# Altium PCB RMP_MAIN_SINGLE.PcbDoc (continued)
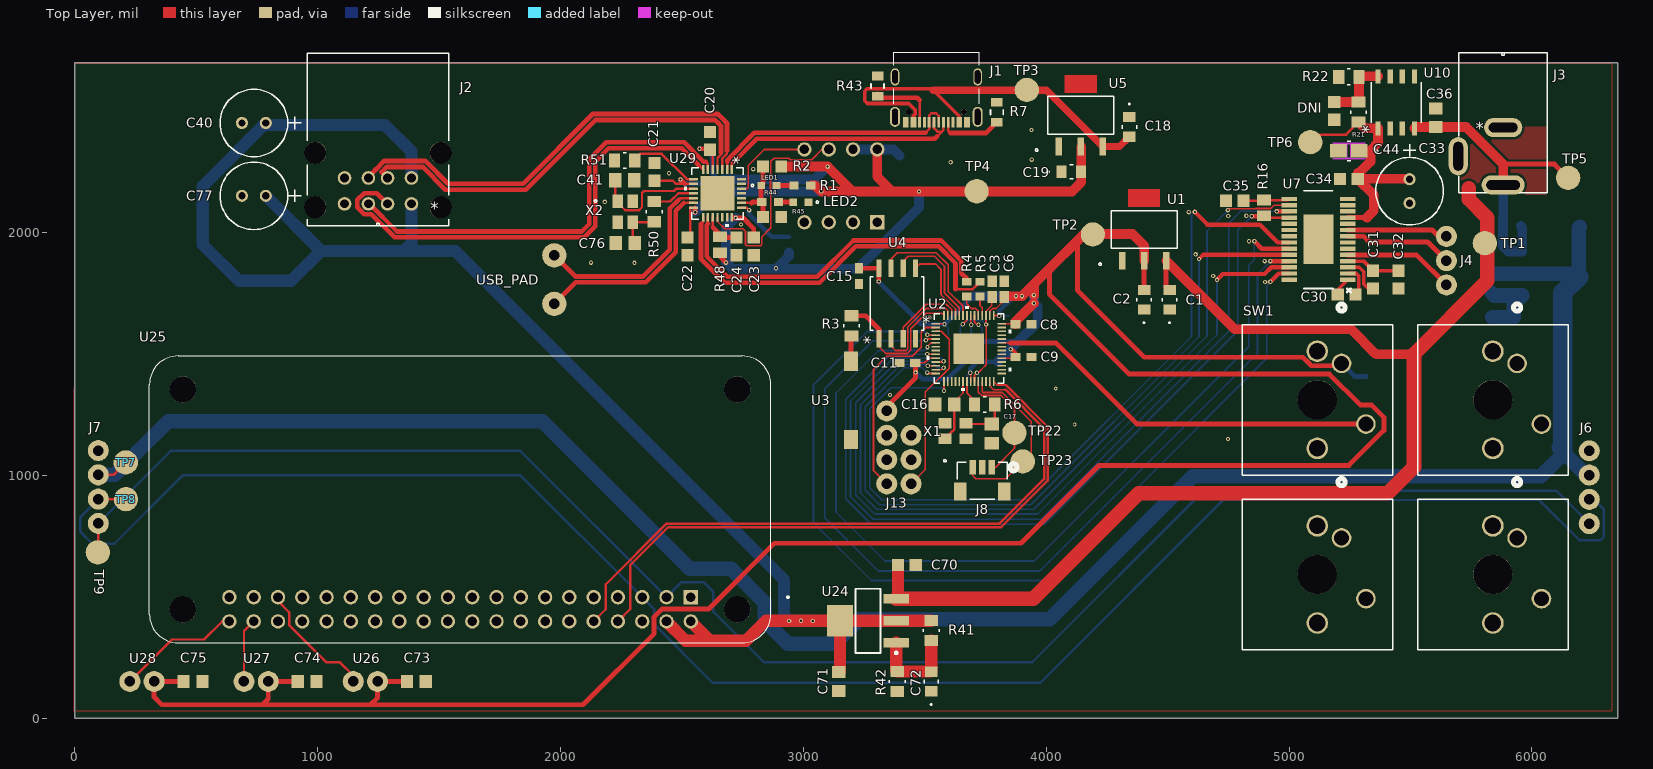
[diagram p0: Top Layer view]
## Part data
C1 C2 C18 C19 C39 C72: library part CAP_GRM21BR61C106KE15K, "10 µF ±10% 16V Ceramic Capacitor X5R 0805 (2012 Metric)", Mfr_Name=Murata
C3 C6: library part CAP_C0603C105K4RACTU, "1 µF ±10% 16V Ceramic Capacitor X7R 0603 (1608 Metric)", Mfr_Name=Kemet
C4 C5 C7 C8 C9 C10 C11 C12 C13 C14 C15: library part CAP_CC0603KRX7R7BB104, "0.1 µF ±10% 16V Ceramic Capacitor X7R 0603 (1608 Metric)", Mfr_Name=Yageo
C16 C17 C41 C76: library part CAP_CC0805FRNPO9BN150, "15 pF ±1% 50V Ceramic Capacitor C0G, NP0 0805 (2012 Metric)", Mfr_Name=Yageo
C20 C21 C22 C23 C24 C31 C32 C34 C37 C45 C70 C78 DNI: library part CAP_CC0805KRX7R9BB104, "0.1 µF ±10% 50V Ceramic Capacitor X7R 0805 (2012 Metric)", Mfr_Name=Yageo
C30: library part CAP_CC0805KRX7R9BB153, "0.015 µF ±10% 50V Ceramic Capacitor X7R 0805 (2012 Metric)", Mfr_Name=Yageo
C33 C40 C77: library part CAP_35YXJ100M6.3X11, "CAP ALUM 100UF 20% 35V RADIAL TH", Mfr_Name=Rubycon
C35: library part CAP_CC0805KKX7R8BB474, "0.47 µF ±10% 25V Ceramic Capacitor X7R 0805 (2012 Metric)", Mfr_Name=Yageo
C36 C38 C71 C73 C74 C75: library part CAP_CL21B105KAFNNNE, "1 µF ±10% 25V Ceramic Capacitor X7R 0805 (2012 Metric)", Mfr_Name=Samsung
C44: library part CAP_TAJA475K016RNJ, "4.7 µF Molded Tantalum Capacitors 16 V 1206 (3216 Metric) 4Ohm", Mfr_Name="KYOCERA AVX"
J1: "CONN RCP USB2.0 TYP C 24P SMD RA", Mfr_Name="Amphenol ICC", RefDes=RefDes, Type=Type
J2: "No Description Available", Mfr_Name=Assmann, RefDes=RefDes, Type=Type
J3: "Power Barrel Connector Jack 2.50mm ID (0.098\"), 5.50mm OD (0.217\") Through Hole, Right Angle", Mfr_Name="CUI Inc", RefDes=RefDes, Type=Type
J4: "BLDC motor header"
J8: "No Description Available", Mfr_Name=JST, RefDes=RefDes, Type=Type
LED1 LED2: library part LED_B1931NG--20D001114U1930, "Green 525nm LED Indication - Discrete 3.3V 0603 (1608 Metric)", Mfr_Name=Harvatek, Type="LED Indication"
  LED1: Parameter 1=DNI
R1 R44: library part RES_RC0603FR-07169RL, "169 Ohms ±1% 0.1W, 1/10W Chip Resistor 0603 (1608 Metric) Moisture Resistant Thick Film", Mfr_Name=Yageo
R2 R45: library part RES_RC0805FR-07100KL, "100 kOhms ±1% 0.125W, 1/8W Chip Resistor 0805 (2012 Metric) Moisture Resistant Thick Film", Mfr_Name=Yageo
R3 R6 R21 R50: library part RES_RNCF0805DTE1K00, "1 kOhms ±0.5% 0.25W, 1/4W Chip Resistor 0805 (2012 Metric) Automotive AEC-Q200 Thin Film", Mfr_Name="Stackpole International"
R4 R5: library part RES_MCT06030C2742FP500, "27.4 kOhms ±1% 0.125W, 1/8W Chip Resistor 0603 (1608 Metric) Anti-Sulfur Thin Film", Mfr_Name="Stackpole International"
R7 R43: library part CMP-2001-01539-2, "RES SMD 5.1K OHM 1% 1/8W 0805", Manufacturer=Yageo, Package=RT0805, Power Rating=0.125W, Resistance=5.1KΩ, Temperature="-55°C to +155°C", Temperature Coefficient="50 ppm/°C", Temperature Range High=+155°C, Temperature Range Low=-55°C, Tolerance=0.0001, Voltage Rating=150V, Automotive=No, Category=Res, ComponentLink2Description=Datasheet, ComponentLink2URL=http://www.yageo.com/documents/recent/PYu-RT_1-to-0.01_RoHS_L_9.pdf, Composition="Thin Film", Device Class L1="Passive Components", Device Class L2=Resistors, Device Class L3="Chip SMD Resistors", Digikey Description="RES SMD 5.1K OHM 1% 1/8W 0805", Footprint Url=http://www.yageo.com/exep/pages/download/literatures/PYu-R_Mount_10.pdf, Height=0.6mm, Ipc Land Pattern Name=RESC200125X50, Lead Free=Yes, Manufacturer Part Number=RT0805FRE075K1L, Mouser Description="Res Thin Film 0805 5.1K Ohm 1% 1/8W ±50ppm/°C Molded SMD SMD Paper T/R", Octopart=https://octopart.com/rt0805fre075k1l-yageo-1396245, RoHS=TRUE, Series=RT
R16 R47 R48 R49: library part RES_RNCP0805FTD10K0, "10 kOhms ±1% 0.25W, 1/4W Chip Resistor 0805 (2012 Metric) Anti-Sulfur Thin Film", Supplier Part Number 1=RNCP0805FTD10K0CT-ND, Supplier 1=Digikey
R17 R41: library part RES_RNCF0805DTE120R, "120 Ohms ±0.5% 0.25W, 1/4W Chip Resistor 0805 (2012 Metric) Automotive AEC-Q200 Thin Film", Mfr_Name="Stackpole International"
R18 R42: library part RES_RNCF0805DTE360R, "360 Ohms ±0.5% 0.25W, 1/4W Chip Resistor 0805 (2012 Metric) Automotive AEC-Q200 Thin Film", Mfr_Name="Stackpole International"
R22: library part RES_RNCF0805DTE5K60, "5.6 kOhms ±0.5% 0.25W, 1/4W Chip Resistor 0805 (2012 Metric) Automotive AEC-Q200 Thin Film", Mfr_Name="Stackpole International"
R51: library part RES_RLC73K2AR649FTD, "649 mOhms ±1% 0.125W, 1/8W Chip Resistor 0805 (2012 Metric) Current Sense Thick Film", Mfr_Name="Stackpole International"
SW1: "No Description Available", Mfr_Name=Cherry
U1 U5: "Linear Voltage Regulator IC Positive Fixed 1 Output 1A SOT-223", Mfr_Name=onsemi, RefDes=RefDes, Type=Type
U2: "ARM® Cortex®-M0+ - Microcontroller IC 32-Bit Dual-Core 133MHz External Program Memory 56-QFN (7x7)", Mfr_Name="Raspberry Pi", RefDes=RefDes, Type=Embedded
U3: "Tactile Switch SPST-NO Top Actuated Surface Mount"
U4: "FLASH - NOR Memory IC 128Mbit SPI - Quad I/O, QPI 133 MHz 8-SOIC", Mfr_Name=Winbond, RefDes=RefDes, Type=Type
U7: "IC MOTOR DRIVER 8V-60V 28HTSSOP", Mfr_Name="Texas Instruments", RefDes=RefDes, Type=TYPE
U8 U24: "Linear Voltage Regulator IC Positive Adjustable 1 Output 1.5A SOT-223-4", Alternate_PartNumber=LM317DCY, Manufacturer="Texas Instruments", CompType=IC, Mfr_Name="Texas Instruments", MountType=SMT, PackageReference=DCY0004A, PartNumber=LM317DCYR, RefDes=RefDes, RoHS=Y, SymbolCreater=Altium, Type=TYPE
U10: "Linear Voltage Regulator IC Positive Adjustable 1 Output 1.2A 8-SO", Mfr_Name=STMicroelectronics, RefDes=RefDes, Type=Type
U25: "At the heart of Raspberry Pi Zero 2 W is RP3A0, a custom-built system-in-package designed by Raspberry Pi in the UK.", Package=None, Check_prices=https://www.snapeda.com/parts/RASPBERRY%20PI%20ZERO%202%20W/Raspberry+Pi/view-part/?ref=eda, MF="Raspberry Pi", MP="RASPBERRY PI ZERO 2 W", SnapEDA_Link=https://www.snapeda.com/parts/RASPBERRY%20PI%20ZERO%202%20W/Raspberry+Pi/view-part/?ref=snap
U26 U27 U28: "connector for low profile mechanical switch"
U29: "USB Hub Controller USB 2.0 USB Interface 28-QFN (5x5)", Mfr_Name="Cypress Semiconductor", RefDes=RefDes, Type=Type
U30: "IC EEPROM 2KBIT I2C 1MHZ 8DIP", Mfr_Name=Microchip, RefDes=RefDes, Type=Type
X1 X2: "12 MHz ±30ppm Crystal 10pF 50 Ohms 4-SMD, No Lead", Mfr_Name=Abracon, RefDes=RefDes, Type=Crystals

## Via types
v1: diameter 18, hole 9, Top Layer to Bottom Layer, 63 vias
v2: diameter 16, hole 8, Top Layer to Bottom Layer, 5 vias

## Nets (pads, with @x,y where several pads share a name; then routed paths per layer and width w, separated by ;. In a path a pad name is that pad's centre, name@x,y a point inside that pad or via, vN(x,y) a via of type N, cw(c..) or ccw(c..) an arc to the next point about the centre after c; other vN are vias at no path point)
pads on no net: C1.1 C1.2 C2.1 C2.2 C3.1 C3.2 C4.1 C4.2 C5.1 C5.2 C6.1 C6.2 C7.1 C7.2 C8.1 C8.2 C9.1 C9.2 C10.1 C10.2 C11.1 C11.2 C12.1 C12.2 C13.1 C13.2 C14.1 C14.2 C15.1 C15.2 C16.1 C16.2 C17.1 C17.2 C18.1 C18.2 C19.1 C19.2 C20.1 C20.2 C21.1 C21.2 C22.1 C22.2 C23.1 C23.2 C24.1 C24.2 C30.1 C30.2 C31.1 C31.2 C32.1 C32.2 C33.1 C33.2 C34.1 C34.2 C35.1 C35.2 C36.1 C36.2 C37.1 C37.2 C38.1 C38.2 C39.1 C39.2 C40.1 C40.2 C41.1 C41.2 C44.1 C44.2 C45.1 C45.2 C70.1 C70.2 C71.1 C71.2 C72.1 C72.2 C73.1 C73.2 C74.1 C74.2 C75.1 C75.2 C76.1 C76.2 C77.1 C77.2 C78.1 C78.2 DNI.1 DNI.2 J1. J1.A1-B12 J1.A4-B9 J1.A5 J1.A6 J1.A7 J1.A8 J1.B1-A12 J1.B4-A9 J1.B5 J1.B6 J1.B7 J1.B8 J1.SH1 J1.SH2 J1.SH3 J1.SH4 J2.1 J2.2 J2.3 J2.4 J2.5 J2.6 J2.7 J2.8 J2.9 J2.10 J2.11 J2.12 J3.1 J3.2 J3.3 J4.1 J4.2 J4.3 J6.1 J6.2 J6.3 J6.4 J7.1 J7.2 J7.3 J7.4 J8.1 J8.2 J8.3 J8.4 J8.5 J13.1 J13.2 J13.3 J13.4 J13.5 J13.6 J13.7 LED1.1 LED1.2 LED2.1 LED2.2 R1.1 R1.2 R2.1 R2.2 R3.1 R3.2 R4.1 R4.2 R5.1 R5.2 R6.1 R6.2 R7.1 R7.2 R16.1 R16.2 R17.1 R17.2 R18.1 R18.2 R21.1 R21.2 R22.1 R22.2 R41.1 R41.2 R42.1 R42.2 R43.1 R43.2 R44.1 R44.2 R45.1 R45.2 R47.1 R47.2 R48.1 R48.2 R49.1 R49.2 R50.1 R50.2 R51.1 R51.2 SW1. SW1.1 SW1.2 SW1.3 SW1.4 SW1.5 TP1.1 TP2.1 TP3.1 TP4.1 TP5.1 TP6.1 TP7.1 TP8.1 TP9.1 TP22.1 TP23.1 U1.1 U1.2 U1.3 U2.1 U2.2 U2.3 U2.4 U2.5 U2.6 U2.7 U2.8 U2.9 U2.10 U2.11 U2.12 U2.13 U2.14 U2.15 U2.16 U2.17 U2.18 U2.19 U2.20 U2.21 U2.22 U2.23 U2.24 U2.25 U2.26 U2.27 U2.28 U2.29 U2.30 U2.31 U2.32 U2.33 U2.34 U2.35 U2.36 U2.37 U2.38 U2.39 U2.40 U2.41 U2.42 U2.43 U2.44 U2.45 U2.46 U2.47 U2.48 U2.49 U2.50 U2.51 U2.52 U2.53 U2.54 U2.55 U2.56 U2.57 U3.1 U3.2 U4.1 U4.2 U4.3 U4.4 U4.5 U4.6 U4.7 U4.8 U5.1 U5.2 U5.3 U7.1 U7.2 U7.3 U7.4 U7.5 U7.6 U7.7 U7.8 U7.9 U7.10 U7.11 U7.12 U7.13 U7.14 U7.15 U7.16 U7.17 U7.18 U7.19 U7.20 U7.21 U7.22 U7.23 U7.24 U7.25 U7.26 U7.27 U7.28 U7.29 U8.1 U8.2 U8.3 U8.4 U10.1 U10.2 U10.3 U10.4 U10.5 U10.6 U10.7 U10.8 U24.1 U24.2 U24.3 U24.4 U25. U25.1 U25.2 U25.3 U25.4 U25.5 U25.6 U25.7 U25.8 U25.9 U25.10 U25.11 U25.12 U25.13 U25.14 U25.15 U25.16 U25.17 U25.18 U25.19 U25.20 U25.21 U25.22 U25.23 U25.24 U25.25 U25.26 U25.27 U25.28 U25.29 U25.30 U25.31 U25.32 U25.33 U25.34 U25.35 U25.36 U25.37 U25.38 U25.39 U25.40 U26.1 U26.2 U27.1 U27.2 U28.1 U28.2 U29.1 U29.2 U29.3 U29.4 U29.5 U29.6 U29.7 U29.8 U29.9 U29.10 U29.11 U29.12 U29.13 U29.14 U29.15 U29.16 U29.17 U29.18 U29.19 U29.20 U29.21 U29.22 U29.23 U29.24 U29.25 U29.26 U29.27 U29.28 U29.29 U30.1 U30.2 U30.3 U30.4 U30.5 U30.6 U30.7 U30.8 USB_PAD.1 USB_PAD.2 X1.1 X1.2 X1.3 X1.4 X2.1 X2.2 X2.3 X2.4
copper on no net: | length 125933
  Top Layer w7: 2646.27,2063.83 2646.27,2046.33 2676.27,2016.33 2750.81,2016.33 2761.96,2005.18 2761.96,1952.03 2766.94,1947.06 2823.98,1947.06 2828.96,1952.03 2828.96,1983.02 2866.15,2020.21 2866.15,2175.22 2864.58,2176.79 2864.58,2213.83 2866.15,2215.4 2866.15,2294.21 2879.27,2307.33 2940.27,2307.33 2946.27,2301.33 3016.01,2301.33 3034.27,2301.33 3076.27,2343.33 3104.27,2343.33 ; 2705.62,2291.08 2708.65,2291.08 2710.32,2289.41 ; 2744.77,2182.01 2766.95,2182.01 2772.95,2188.01 2772.95,2277.01 2839.27,2343.33 3004.27,2343.33 ; 3311.27,1530.78 3338.72,1503.33 3427.26,1503.33 3442.27,1518.34 3442.27,1605.33 3505.27,1668.33 3569.9,1668.33 3578.9,1659.33 ; 3343.27,966.33 3289.08,1020.51 3289.08,1438.14 3342.27,1491.33 3448.29,1491.33 3485.27,1528.31 3485.27,1590.33 3504.88,1609.94 3545.27,1609.94 ; 3361.27,1562.83 3361.27,1533.33 3379.27,1515.33 3422.29,1515.33 3430.27,1523.31 3430.27,1612.33 3506.27,1688.33 3586.27,1688.33 3594.65,1679.94 3594.65,1659.33 ; 3361.27,1853.83 3361.27,1893.33 3386.27,1918.33 3546.27,1918.33 3596.27,1868.33 3596.27,1758.33 3657.64,1696.95 3657.64,1659.33 ; 3411.27,1562.83 3411.27,1611.33 3506.27,1706.33 3588.27,1706.33 3610.4,1684.19 3610.4,1659.33 ; 3411.27,1883.33 3431.27,1903.33 3540.05,1903.33 3581.27,1862.11 3581.27,1752.11 3586.27,1747.11 3641.9,1691.48 3641.9,1659.33 ; 3443.27,966.33 3502.27,1025.33 3502.27,1344.33 3516.73,1358.8 3600.27,1442.33 3600.27,1561.33 3567.4,1594.19 3545.27,1594.19 ; 3460.77,1464.33 3499.27,1464.33 3518.9,1483.96 3545.27,1483.96 ; 3461.27,1853.83 3478.77,1871.33 3545.27,1871.33 3566.27,1850.33 3566.27,1745.9 3626.15,1686.02 3626.15,1659.33 ; v1(3504.27,1557.33) 3509.64,1562.7 3545.27,1562.7 ; v1(3510.27,1424.33) 3510.27,1422.33 3511.63,1420.97 3545.27,1420.97 ; v1(3510.27,1500.83) 3510.27,1500.33 3510.89,1499.71 3545.27,1499.71 ; v1(3510.69,1580.23) 3512.48,1578.45 3545.27,1578.45 ; v1(3511.27,1529.33) 3511.27,1532.46 3525.75,1546.95 3545.27,1546.95 ; v1@3512.4,1452.46 3545.27,1452.46 ; 3545.27,1436.71 3569.65,1436.71 v1(3577.27,1444.33) ; 3545.27,1468.21 3574.15,1468.21 v1(3577.27,1471.33) ; 3545.27,1625.69 3578.9,1625.69 v1(3581.27,1623.33) ; 3578.9,1387.33 3578.9,1349.69 v1(3579.27,1349.33) ; 3620.57,1293.33 3620.57,1303.35 3657.5,1340.28 3657.5,1387.18 ; v1(3656.27,1623.33) 3673.39,1640.45 3673.39,1659.33 ; 3672.27,1738.09 3672.27,1707.7 3691.64,1688.33 3709.41,1688.33 3720.64,1677.1 3720.64,1659.33 ; 3673.39,1387.33 3673.39,1341.2 3704.77,1309.83 3704.77,1293.33 ; v1(3686.9,1423.81) 3689.02,1421.69 3689.02,1387.45 ; 3689.11,1659.3 3689.11,1625.48 3690.27,1624.33 3690.27,1622.15 v1(3691.27,1621.15) ; 3696.9,1034.56 3696.9,1000.7 3710.02,987.58 3832.52,987.58 3903.27,1058.33 ; 3704.89,1387.33 3704.89,1414.31 v1(3714.6,1424.02) 3719.98,1424.02 3747.79,1451.83 3753.11,1457.15 3753.11,1621.49 v1(3752.27,1622.33) 3752.13,1622.46 3752.13,1659.33 ; 3704.92,1659.29 3704.92,1632.29 3713.7,1623.51 3720.08,1623.51 3721.27,1622.33 3721.03,1622.09 v1(3721.03,1621.2) ; 3720.64,1387.33 3720.64,1343.96 3734.27,1330.33 3761.25,1330.33 3814.35,1330.33 3869.27,1275.41 3869.27,1176.33 3869.27,1112.33 3791.5,1034.56 3775.64,1034.56 ; 3727.27,1738.09 3727.27,1700.06 3736.38,1690.94 3736.38,1659.33 ; 3736.38,1387.33 3736.38,1345.18 3739.24,1342.33 3819.32,1342.33 3938.77,1222.88 3938.77,1042.83 ; 3752.04,1659.42 3752.04,1677.34 3755.88,1681.19 3755.88,1681.38 3774.64,1700.14 3775.56,1700.14 3775.56,1734.09 3777.27,1735.79 ; 3767.92,1387.28 3767.92,1369.51 3783.11,1354.33 3831.56,1354.33 ; 3767.88,1659.33 3767.88,1676.41 3779.61,1688.14 3793.39,1688.14 3826.61,1721.35 ; 3783.63,1387.33 3797.43,1373.52 3833.58,1373.52 3835.68,1371.43 ; 3783.63,1659.33 3805.27,1659.33 v1(3806.27,1658.33) ; 3817.27,1483.96 3869.4,1483.96 3873.77,1488.33 ; 3817.27,1546.95 3851.89,1546.95 ; 3817.27,1625.69 3871.4,1625.69 ; 3826.61,1735.13 3827.27,1735.79 ; v1(4748.27,2093.33) 4753.77,2098.83 4768.29,2098.83 4784.25,2098.83 4841.29,2098.83 4862.75,2098.83 4864.25,2100.33 4924.29,2100.33 4937.78,2113.82 5001.11,2113.82
  Top Layer w10: 94.27,684.33 96.27,686.33 96.27,803.33 ; 96.27,903.33 210.27,903.33 ; 96.27,1003.33 158.27,1003.33 209.27,1054.33 ; 226.27,152.33 399.27,325.33 532.27,325.33 606.51,399.57 636.27,399.57 ; 696.27,152.33 696.27,359.57 736.27,399.57 ; 836.27,499.57 836.27,483.33 882.27,437.33 882.27,384.33 1034.27,232.33 1090.27,232.33 1146.27,176.33 1146.27,152.33 ; 2136.27,399.57 2186.27,449.57 2186.27,552.33 2436.27,802.33 3807.77,802.33 3991.27,985.82 3991.27,1194.62 3831.56,1354.33 ; 2224.9,2217.08 2224.9,2140.27 2234.49,2130.68 2234.49,2124.78 2266.14,2093.12 2323.28,2093.12 2335.27,2105.12 2335.27,2164.33 2343.27,2172.33 2467.27,2172.33 2476.95,2182.01 2547.77,2182.01 ; 2236.27,399.57 2286.27,449.57 2286.27,631.11 2442.48,787.33 3813.98,787.33 4006.27,979.61 4006.27,1200.84 3835.68,1371.43 ; 2305.29,1958.02 2297.48,1965.83 2297.48,2044.07 2383.8,2044.07 2385.61,2045.87 ; 2305.71,2298.03 2305.71,2303.53 2327.5,2325.33 2416.27,2325.33 2520.21,2221.38 2547.77,2221.38 ; 2385.61,2128.87 2451.23,2128.87 2484.69,2162.33 2547.77,2162.33 ; 2387.33,2214.26 2462.34,2214.26 2474.9,2201.7 2547.77,2201.7 ; 2492.58,2142.64 2547.77,2142.64 ; 2506.9,2122.96 2547.77,2122.96 ; 2534.77,1980.56 2534.77,2103.27 2547.77,2103.27 ; 2569.71,2278.33 2587.21,2260.83 ; 2578.09,2036.15 2587.21,2045.27 2587.21,2063.83 ; 2598.27,2293.33 2606.9,2284.7 2606.9,2260.83 ; 2606.9,2036.96 2606.9,2063.83 ; 2626.27,2022.33 2626.27,2028.75 2626.4,2028.88 2626.4,2045.04 2626.27,2045.16 2626.27,2063.51 2626.58,2063.83 ; 2626.58,2260.83 2626.58,2340.99 2627.42,2341.83 2627.42,2342.21 ; 2646.27,2260.83 2646.27,2308.33 2664.27,2326.33 2660.27,2330.33 ; 2665.95,2260.83 2665.95,2306.8 2685.27,2326.11 2685.27,2338.33 ; 2685.64,2260.83 2686.65,2261.84 2686.65,2291.94 2685.82,2291.94 ; 2705.32,2260.83 2705.32,2290.78 2705.62,2291.08 ; 2744.77,2103.27 2766.32,2103.27 v1(2776.27,2093.33) ; 2744.77,2122.96 2786.9,2122.96 ; 3411.27,1853.83 3411.27,1883.33 ; 3478.59,2455.2 3478.59,2546.01 ; 3502.9,2411.33 3517.96,2426.38 3517.96,2455.2 3517.96,2484.02 3526.27,2492.33 3546.27,2492.33 3557.33,2481.26 3557.33,2455.2 ; 3537.64,2455.2 3537.64,2430.95 3551.67,2416.92 3570.86,2416.92 ; 3551.27,2397.33 3570.86,2416.92 ; 3577.01,2455.2 3576.27,2454.45 3576.27,2422.33 3570.86,2416.92 ; 3582.96,1151.83 3614.3,1183.17 3614.66,1183.17 3620.52,1189.03 3620.52,1189.39 3620.57,1189.45 3620.57,1293.33 ; 3596.7,2455.2 3596.7,2420.89 3606.27,2411.33 ; 3626.27,1768.33 3697.54,1768.33 3706.06,1776.85 ; 3669.57,1214.82 3671.76,1212.64 3776.27,1212.64 3787.77,1224.14 3787.77,1293.33 ; 3706.06,1777.59 3727.27,1798.8 ; 4812.77,2132.33 4893.77,2132.33 4896.27,2134.83 4996.52,2134.83 5001.11,2139.41 ; 4896.27,2069.83 4903.45,2062.64 5001.11,2062.64 ; 5087.27,2373.33 5118.27,2404.33 5234.77,2404.33 5286.27,2455.83 ; 5325.77,1770.83 5346.27,1770.83 ; 5494.69,2222.33 5496.27,2220.75
  Top Layer w15: 3453,2455.2 3453,2480.85 3461.09,2488.94 3461.09,2505.72 3444.18,2522.62 3443.97,2522.62 3434.27,2532.33 3264.27,2532.33 3252.27,2544.33 3252.27,2583.55 3262.27,2593.55 3528.04,2593.55 3641.97,2479.62 3641.97,2455.2 ; v1(3853.27,1520.33) 3859.27,1520.33 3873.77,1505.83 3873.77,1488.33 ; 5200.77,1745.33 5204.77,1749.33 5204.77,1770.24 5241.27,1806.74 ; 5241.27,1832.33 5277.27,1832.33 5287.27,1822.33 5287.27,1758.83 5273.77,1745.33 ; 5241.27,1857.92 5288.68,1857.92 5307.27,1839.33 5307.27,1789.33 5325.77,1770.83 ; 5241.27,1883.51 5306.58,1883.51 5346.27,1843.83 5451.27,1843.83
  Top Layer w18: v1(4612.27,2086.33) 4612.27,2085.33 4663.77,2033.83 4879.77,2033.83 4953.27,1960.33 5001.06,1960.33 5001.11,1960.28 ; v1(4629.27,1892.33) 4646.07,1909.13 5001.08,1909.13 ; v1(4703.27,1806.33) 4727.27,1830.33 4899.27,1830.33 4926.86,1857.92 5001.11,1857.92 ; v1(4846.27,2068.33) 4894.77,2068.33 4896.27,2069.83 ; v1(4857.27,1965.33) 4887.87,1934.73 5001.07,1934.73 5001.11,1934.69 ; v1(4923.27,1798.33) 4957.27,1832.33 5001.11,1832.33 ; v1(4923.27,1883.33) 4923.47,1883.53 5001.09,1883.53 ; v1(4949.27,2088.33) 4999.19,2088.33 4999.11,2088.23 5001.11,2088.23
  Top Layer w19: 1208.78,2119.19 1212.4,2119.19 1326.27,2005.33 2087.27,2005.33 2118.27,2036.33 2118.27,2303.27 2187.32,2372.33 2509.65,2372.33 2588.65,2293.33 2598.27,2293.33 ; 1287.52,2119.19 1243.38,2163.33 1190.81,2163.33 1163.27,2135.79 1163.27,2104.6 1191.17,2076.69 1207.27,2076.69 1220.96,2076.69 1316.32,1981.33 2097.21,1981.33 2142.27,2026.39 2142.27,2293.33 2197.27,2348.33 2499.71,2348.33 2569.71,2278.33 ; 1974.27,1707.33 2063.27,1796.33 2350.27,1796.33 2474.27,1920.33 2474.27,2090.33 2506.9,2122.96 ; 1974.27,1907.33 2061.27,1820.33 2340.27,1820.33 2450.27,1930.33 2450.27,2100.33 2486,2136.06 ; 2578.09,2036.15 2578.09,1892.68 2676.44,1794.33 3060.27,1794.33 3066.21,1794.33 3216.21,1944.33 3557.27,1944.33 3626.27,1875.33 3626.27,1768.33 ; 2606.9,2036.96 2602.09,2032.15 2602.09,1902.62 2686.39,1818.33 3056.27,1818.33 3206.27,1968.33 3567.21,1968.33 3650.27,1885.27 3650.27,1834.33 3672.27,1812.33 3672.27,1798.8 ; 2626.27,2022.33 2657.16,1991.43 2657.16,1983.56 2660.16,1980.56 2724.56,1980.56 ; 2685.82,2291.94 2685.82,2298.85 2798.3,2411.33 2806.04,2411.33 2825.07,2411.33 3502.9,2411.33 ; 2710.32,2289.41 2808.24,2387.33 3541.27,2387.33 3551.27,2397.33
  Top Layer w20: 447.77,152.33 326.27,152.33 326.27,88.33 358.27,56.33 772.27,56.33 ; 917.77,152.33 796.27,152.33 796.27,80.33 772.27,56.33 ; 1208.78,2225.89 1208.78,2231 1238.27,2260.49 1274.1,2296.33 1279.22,2296.33 1442.27,2296.33 1536.27,2202.33 1845.91,2202.33 2132.91,2489.33 2646.62,2489.33 2656.12,2479.83 2656.83,2479.83 2685.27,2451.4 2685.27,2338.33 ; 1287.52,2225.89 1263.27,2250.14 1284.46,2271.33 1431.91,2271.33 1525.91,2177.33 1856.27,2177.33 2143.27,2464.33 2636.27,2464.33 2645.77,2454.83 2646.48,2454.83 2660.27,2441.04 2660.27,2330.33 ; 1367.77,152.33 1246.27,152.33 1246.27,85.33 1217.27,56.33 ; v1(2493.62,2219.69) 2511.3,2202.01 ; v1(2554.27,2084.33) 2554.27,2102.96 ; v1(2572.27,2346.33) 2610.77,2346.33 2615.27,2341.83 ; 2657.16,1918.56 2657.16,1901.43 v1(2681.27,1877.33) ; 2711.27,2063.33 2713.27,2061.33 v1(2721.27,2061.33) 2751.27,2061.33 2795.46,2017.13 2795.46,1980.56 ; 2786.9,2122.96 2791.32,2127.38 2828.65,2127.38 ; 2833.65,2065.94 2833.65,2122.38 2828.65,2127.38 ; 2833.65,2272.77 2833.65,2202.87 2826.09,2195.31 2826.09,2129.94 2828.65,2127.38 ; 2889.08,2195.31 2961.2,2195.31 ; 2897.65,2127.38 2957.19,2127.38 2958.2,2126.37 ; 3196.27,1471.16 3196.27,1573.76 3198.06,1575.56 ; 3198.06,1658.56 3256.04,1658.56 3311.27,1603.33 3311.27,1562.83 ; 3229.27,1853.83 3311.27,1853.83 3310.27,1852.83 v1(3310.27,1799.33) ; 3305.27,2570.99 3319.93,2556.33 3468.27,2556.33 3478.59,2546.01 ; 3343.27,1266.33 3343.27,1283.33 3462.27,1402.33 v1(3462.27,1425.33) 3462.27,1462.83 3460.77,1464.33 ; 3606.27,2411.33 3752.6,2411.33 3796.27,2454.99 ; 3851.89,1546.95 4039.64,1546.95 4374.27,1212.33 5316.27,1212.33 ; 4013.27,1852.33 4013.27,1747.33 4342.27,1418.33 5166.27,1418.33 5293.27,1291.33 5339.27,1291.33 5390.27,1240.33 5390.27,1186.33 5246.27,1042.33 4217.27,1042.33 3896.27,721.33 2880.27,721.33 2609.27,450.33 2417.27,450.33 2385.27,418.33 2385.27,349.33 2092.27,56.33 1217.27,56.33 ; 4128.27,1967.33 4128.27,1763.33 4403.91,1487.68 5056.77,1487.68 5082.12,1462.33 5091.62,1452.83 5206.77,1452.83 5216.27,1462.33 ; 4142.27,2355.33 4143.77,2353.83 ; 4403.27,1764.83 4403.27,1885.33 ; 4493.77,1885.33 4493.77,1779.33 4508.27,1764.83 ; 5241.27,1909.1 5524.49,1909.1 5648.27,1785.33 ; 5241.27,1985.87 5307.72,1985.87 5331.27,1962.33 5571.27,1962.33 5648.27,1885.33 ; 5241.27,2011.46 5588.94,2011.46 5615.08,1985.33 5648.27,1985.33 ; 5241.27,2062.64 5320.58,2062.64 ; 5881.77,2282.83 6092.77,2282.83 6149.27,2226.33 ; 772.27,56.33 1217.27,56.33
  Top Layer w30: 3534.82,2586.78 3701.94,2586.78 3733.19,2586.78 4001.32,2586.78 4232.77,2355.33 4301.77,2355.33 4342.27,2395.83
  Top Layer w40: 2908.65,2272.77 v1(3099.83,2272.77) 3202.27,2170.33 v1(3073.34,2170.33) 3048.34,2195.33 3034.27,2195.33 ; 3213.39,2170.33 3364.27,2170.33 ; 3304.27,2343.33 3304.27,2230.33 3364.27,2170.33 ; 3827.27,1735.79 3830.8,1739.33 v1(3875.27,1739.33) v1(3900.27,1739.33) 3949.27,1788.33 ; 3873.77,1623.33 3873.77,1634.83 v1(3949.27,1710.33) ; v1(3949.27,1743.33) 3949.27,1788.33 ; 4143.77,2353.83 4143.77,2251.33 4143.77,2207.83 4106.27,2170.33 v1(3476.27,2170.33) 3364.27,2170.33 ; 4403.27,1885.33 4403.27,1947.33 4355.27,1995.33 4156.27,1995.33 4128.27,1967.33 4013.27,1852.33 3949.27,1788.33 ; 4493.77,1885.33 4690.77,1688.33 4776.77,1602.33 5256.27,1602.33 5358.72,1499.87 5514.55,1499.87 ; 5186.27,2538.83 5286.27,2538.83 5287.77,2540.33 5287.77,2642.33 5290.02,2644.58 5366.27,2644.58 ; 5286.27,2455.83 5312.02,2430.08 5366.27,2430.08 5366.27,2371.33 5336.77,2341.83 ; 5289.05,2337.33 5289.05,2332.83 5321.62,2332.83 5336.27,2318.18 5336.27,2293.47 5290.62,2247.83 5282.77,2247.83 5282.77,2222.33 ; 5320.58,2062.64 5349.27,2091.33 5349.27,2155.83 5282.77,2222.33 ; 5494.69,2222.33 5282.77,2222.33 ; 5516.27,2430.08 5521.72,2435.54 5603.52,2435.54 5727.47,2435.54 5728.27,2436.33 5881.77,2282.83 5881.77,2197.26
  Top Layer w50: 2436.27,399.57 2515.51,320.33 2615.51,320.33 ; 2536.27,399.57 2615.51,320.33 ; 3146.27,190.83 3150.12,194.69 3150.12,402.33 ; 3382.41,311.78 3382.41,197.69 3386.27,193.83 3525.27,193.83 3526.27,194.83 3526.27,320.83 ; 3382.41,492.88 3389.77,500.24 3389.77,632.33 ; 3526.27,403.83 3524.77,402.33 3382.41,402.33 3150.12,402.33 ; 2615.51,320.33 2763.27,320.33 2845.27,402.33 v1(2990.27,402.33) 3150.12,402.33
  Top Layer w60: 3382.41,492.88 3945.82,492.88 4380.27,927.33 5406.27,927.33 5510.27,1031.33 ; 5514.51,1035.57 5514.51,1499.83 5816.83,1802.15 5816.83,1858.76 5816.83,1959.33 5816.83,2061.76 5739.27,2139.33 5739.27,2184.33
  Bottom Layer w7: v1(3504.27,1557.33) 3502.17,1555.23 3286.17,1555.23 3088.27,1357.33 3088.27,827.33 3308.27,607.33 3973.27,607.33 4870.27,1504.33 4870.27,1830.33 v1(4923.27,1883.33) ; v1(3510.27,1424.33) 3490.27,1444.33 3414.27,1444.33 3254.27,1284.33 3254.27,939.33 3313.27,880.33 3936.27,880.33 4629.27,1573.33 v1(4629.27,1892.33) ; v1(3510.27,1500.83) 3510.27,1500.33 3360.27,1500.33 3174.27,1314.33 3174.27,904.33 3279.27,799.33 3991.27,799.33 4789.27,1597.33 4789.27,2011.33 v1(4846.27,2068.33) ; v1(3510.69,1580.23) 3497.59,1593.33 3262.27,1593.33 3041.27,1372.33 3041.27,807.33 3280.27,568.33 3987.17,568.33 4334.67,915.83 4340.77,915.83 4908.27,1483.33 4908.27,1780.99 4917.77,1790.49 4917.77,1792.83 v1(4923.27,1798.33) ; v1(3511.27,1529.33) 3497.27,1515.33 3309.27,1515.33 3134.27,1340.33 3134.27,850.33 3336.27,648.33 3951.27,648.33 4834.27,1531.33 4834.27,1865.33 4843.27,1874.33 4857.27,1888.33 v1(4857.27,1965.33) ; v1(3512.27,1452.33) 3511.33,1453.27 3506.71,1457.89 3400.83,1457.89 3235.27,1292.33 3235.27,928.33 3302.27,861.33 3948.27,861.33 4662.27,1575.33 4662.27,2007.33 v1(4748.27,2093.33) ; v1(3577.27,1444.33) 3552.27,1444.33 3525.27,1471.33 3386.27,1471.33 3215.27,1300.33 3215.27,920.33 3293.27,842.33 3964.27,842.33 4703.27,1581.33 v1(4703.27,1806.33) ; v1(3577.27,1471.33) 3565.27,1483.33 3370.27,1483.33 3194.27,1307.33 3194.27,913.33 3287.27,820.33 3978.27,820.33 4751.75,1593.81 4751.75,2039.81 4800.27,2088.33 v1(4949.27,2088.33) ; v1(3579.27,1349.33) 3579.27,1352.33 3569.13,1362.46 3360.37,1362.46 3273.27,1275.36 3273.27,949.33 3322.27,900.33 3925.27,900.33 4598.27,1573.33 4598.27,1899.99 4598.27,2072.33 v1(4612.27,2086.33) ; v1(3581.27,1623.33) 3596.27,1608.33 3596.27,1580.83 ; 3646.27,1580.83 3646.27,1613.33 v1(3656.27,1623.33) 3657.27,1622.33 3661.93,1622.33 3679.43,1639.83 3693.1,1639.83 3694.6,1638.33 3707.93,1638.33 3709.43,1639.83 3723.1,1639.83 3724.6,1638.33 3736.27,1638.33 v1(3752.27,1622.33) ; 3676.27,1365.83 3676.27,1413.19 v1(3686.9,1423.81) ; 3691.27,1580.83 v1(3691.27,1621.15) ; v1(3714.6,1424.02) 3722.54,1416.09 3722.54,1367.1 3721.27,1365.83 ; v1(3721.03,1621.2) 3721.71,1621.88 3736.27,1607.33 3736.27,1580.83 ; v1(3806.27,1658.33) 3848.77,1658.33
  Bottom Layer w10: 96.27,803.33 395.27,1102.33 1833.51,1102.33 2436.27,499.57 2498.02,561.33 2589.27,561.33 2629.27,521.33 2629.27,439.33 2837.27,231.33 3942.27,231.33 4649.27,938.33 6100.27,938.33 6236.27,802.33 ; 96.27,903.33 22.27,829.33 22.27,768.33 71.27,719.33 162.27,719.33 445.27,1002.33 1833.51,1002.33 2336.27,499.57 2385.27,450.57 2385.27,388.33 2626.27,147.33 3976.27,147.33 4728.55,899.61 6029.98,899.61 6195.27,734.33 6282.27,734.33 6296.27,748.33 6296.27,860.33 6254.27,902.33 6236.27,902.33
  Bottom Layer w20: v1(2493.62,2219.69) 2509.98,2203.33 2607.27,2203.33 ; v1(2572.27,2346.33) 2591.27,2346.33 2626.27,2311.33 2626.27,2244.38 2651.31,2219.33 2668.27,2219.33 ; v1(2776.27,2093.33) 2776.27,2077.15 2869.86,1983.56 2940.76,1983.56 ; v1(3310.27,1799.33) 3486.27,1623.33 v1(3581.27,1623.33) 3697.27,1739.33 ; v1(3462.27,1425.33) 3489.27,1398.33 3595.27,1398.33 3666.27,1469.33 3716.27,1469.33 ; v1(3686.9,1423.81) 3686.9,1439.96 3716.27,1469.33 ; 3691.27,1580.83 3720.27,1551.83 3883.77,1551.83 ; 3801.27,1469.33 3716.27,1469.33 ; v1(3806.27,1658.33) 3806.27,1678.33 v1@3867.27,1739.33 ; 5216.27,1462.33 5269.77,1408.83 5316.27,1408.83
  Bottom Layer w40: v1(2554.27,2084.33) 2640.27,2170.33 ; 2607.27,2203.33 2640.27,2170.33 ; 2668.27,2219.33 3046.39,2219.33 v1(3099.83,2272.77) ; v1(2721.27,2061.33) 2681.27,2021.33 v1(2681.27,1877.33) 2706.27,1852.33 2889.49,1852.33 v1@2889.6,1852.44 ; v1@2889.15,1852.44 v1@2889.6,1852.44 ; 2940.76,1918.56 2940.76,1903.6 v1@2889.6,1852.44 ; v1(3073.34,2170.33) 2640.27,2170.33 ; 3204.27,2343.33 3304.27,2343.33 3370.77,2343.33 3396.27,2317.83 ; v1(3476.27,2170.33) 3476.27,2103.33 3225.38,1852.44 v1@2889.6,1852.44 ; 3697.27,1739.33 3867.27,1739.33 v1(3875.27,1739.33) v1(3900.27,1739.33) ; 3801.27,1469.33 3852.27,1520.33 v1(3853.27,1520.33) 3853.27,1521.33 3883.77,1551.83 3965.27,1633.33 3965.27,1694.33 v1(3949.27,1710.33) v1(3949.27,1743.33) ; 5881.77,2197.26 5881.77,2062.83 5881.27,2062.33 5881.27,1944.33 5902.71,1922.88 5960.12,1922.88 5960.12,2021.97 5956.27,2025.83 5953.77,2028.33
  Bottom Layer w50: 786.27,2152.33 1013.27,1925.33 ; 1385.94,2119.19 1385.94,1957 1354.27,1925.33 ; 1385.94,2225.89 1385.94,2334.65 1277.27,2443.33 795.27,2443.33 786.27,2452.33 526.27,2192.33 526.27,1951.33 675.27,1802.33 890.27,1802.33 1013.27,1925.33 ; v1(3038.27,401.33) 3037.27,402.33 v1(2990.27,402.33) 2942.27,402.33 v1(2941.27,401.33) 2920.27,422.33 2920.27,571.33 1566.27,1925.33 1354.27,1925.33 ; 1013.27,1925.33 1354.27,1925.33
  Bottom Layer w60: 96.27,1003.33 163.27,1003.33 255.27,1095.33 384.27,1224.33 1924.27,1224.33 2532.19,616.4 2702.34,616.4 2841.27,477.48 2841.27,403.33 2936.27,308.33 3129.27,308.33 3229.27,408.33 4014.27,408.33 4603.27,997.33 6037.27,997.33 6133.27,1093.33 ; 5836.27,1750.83 5845.32,1741.78 5960.12,1741.78 5925.77,1707.42 5925.77,1652.33 5837.77,1652.33 ; 5836.27,1833.83 5837.77,1832.33 5960.12,1832.33 6192.41,1832.33 ; 6110.64,1115.96 6127.27,1099.33 6133.27,1093.33 ; 6192.41,1818.44 6192.41,1832.33 ; 6196.27,2023.83 6192.41,2019.97 6192.41,1832.33 ; 6236.27,1002.33 6224.27,1002.33 6133.27,1093.33
  Bottom Layer w80: 6127.27,1099.33 6127.27,1753.3 6192.41,1818.44
  other v1: 4901.27,1797.33 4687.27,1822.33 2887.27,1854.33 2304.27,1876.33 2125.27,1877.33 4899.27,1883.33 4615.27,1911.33 4835.27,1965.33 2743.27,2034.33 4749.27,2069.33 4824.27,2070.33 4587.27,2085.33 2182.27,2127.33 2446.27,2245.33 2793.27,2262.33 3606.27,2290.33 3940.27,2301.33 3939.27,2423.33
  other v2: 4748.27,1150.33 4117.27,1211.33 3356.27,1332.33 4039.27,1358.33 3519.27,1651.33

## Polygon pours and split planes (outlines as drawn)
no net on Top Layer "NONET_L01_P001" (solid, remove dead copper, pour order 1): -0.73,2697.33 6328.27,2697.33 6328.27,30.33 -3.7,30.33
no net on Top Layer "NONET_L01_P000" (solid, pour order 0): 5703.37,2436.33 6059.27,2436.33 6059.27,2156.33 5703.37,2156.33
no net on Bottom Layer "NONET_L02_P002" (solid, pour order 2): -0.73,2700.33 6328.27,2700.33 6328.27,33.33 -3.7,33.33

## Silkscreen, mask and mechanical layers (free items; w line width, h text height)
Mechanical 1:
  lines w30: 6331.91,4.2 6331.91,2704.2

## Text inside footprints (layer, text, board x,y; h text height)
J2: Mechanical 13 "*" at 1498.44,2144.19 h50 r180; Top Overlay "*" at 1498.44,2144.19 h50 r180
J3: Mechanical 13 "*" at 5769.27,2408.48 h50; Top Overlay "*" at 5769.27,2408.48 h50
U2: Mechanical 13 "*" at 3550.77,1608.56 h50; Top Overlay "*" at 3489.77,1608.56 h50
U4: Mechanical 13 "*" at 3334.27,1605.83 h50 r90; Top Overlay "*" at 3295.27,1540.33 h50 r90
U10: Mechanical 13 "*" at 5395.77,2461.33 h50 r90; Top Overlay "*" at 5349.27,2407.58 h50 r90
U29: Mechanical 13 "*" at 2690.16,2255.33 h50 r270; Top Overlay "*" at 2690.16,2316.33 h50 r270
U30: Mechanical 13 "*" at 3279.27,2050.83 h50 r270; Bottom Overlay "*" at 3338.77,2030.83 h50 r270